# Altium PCB Calipso V2.0 REV2.0.PcbDoc (part 3 of 4) (continued)
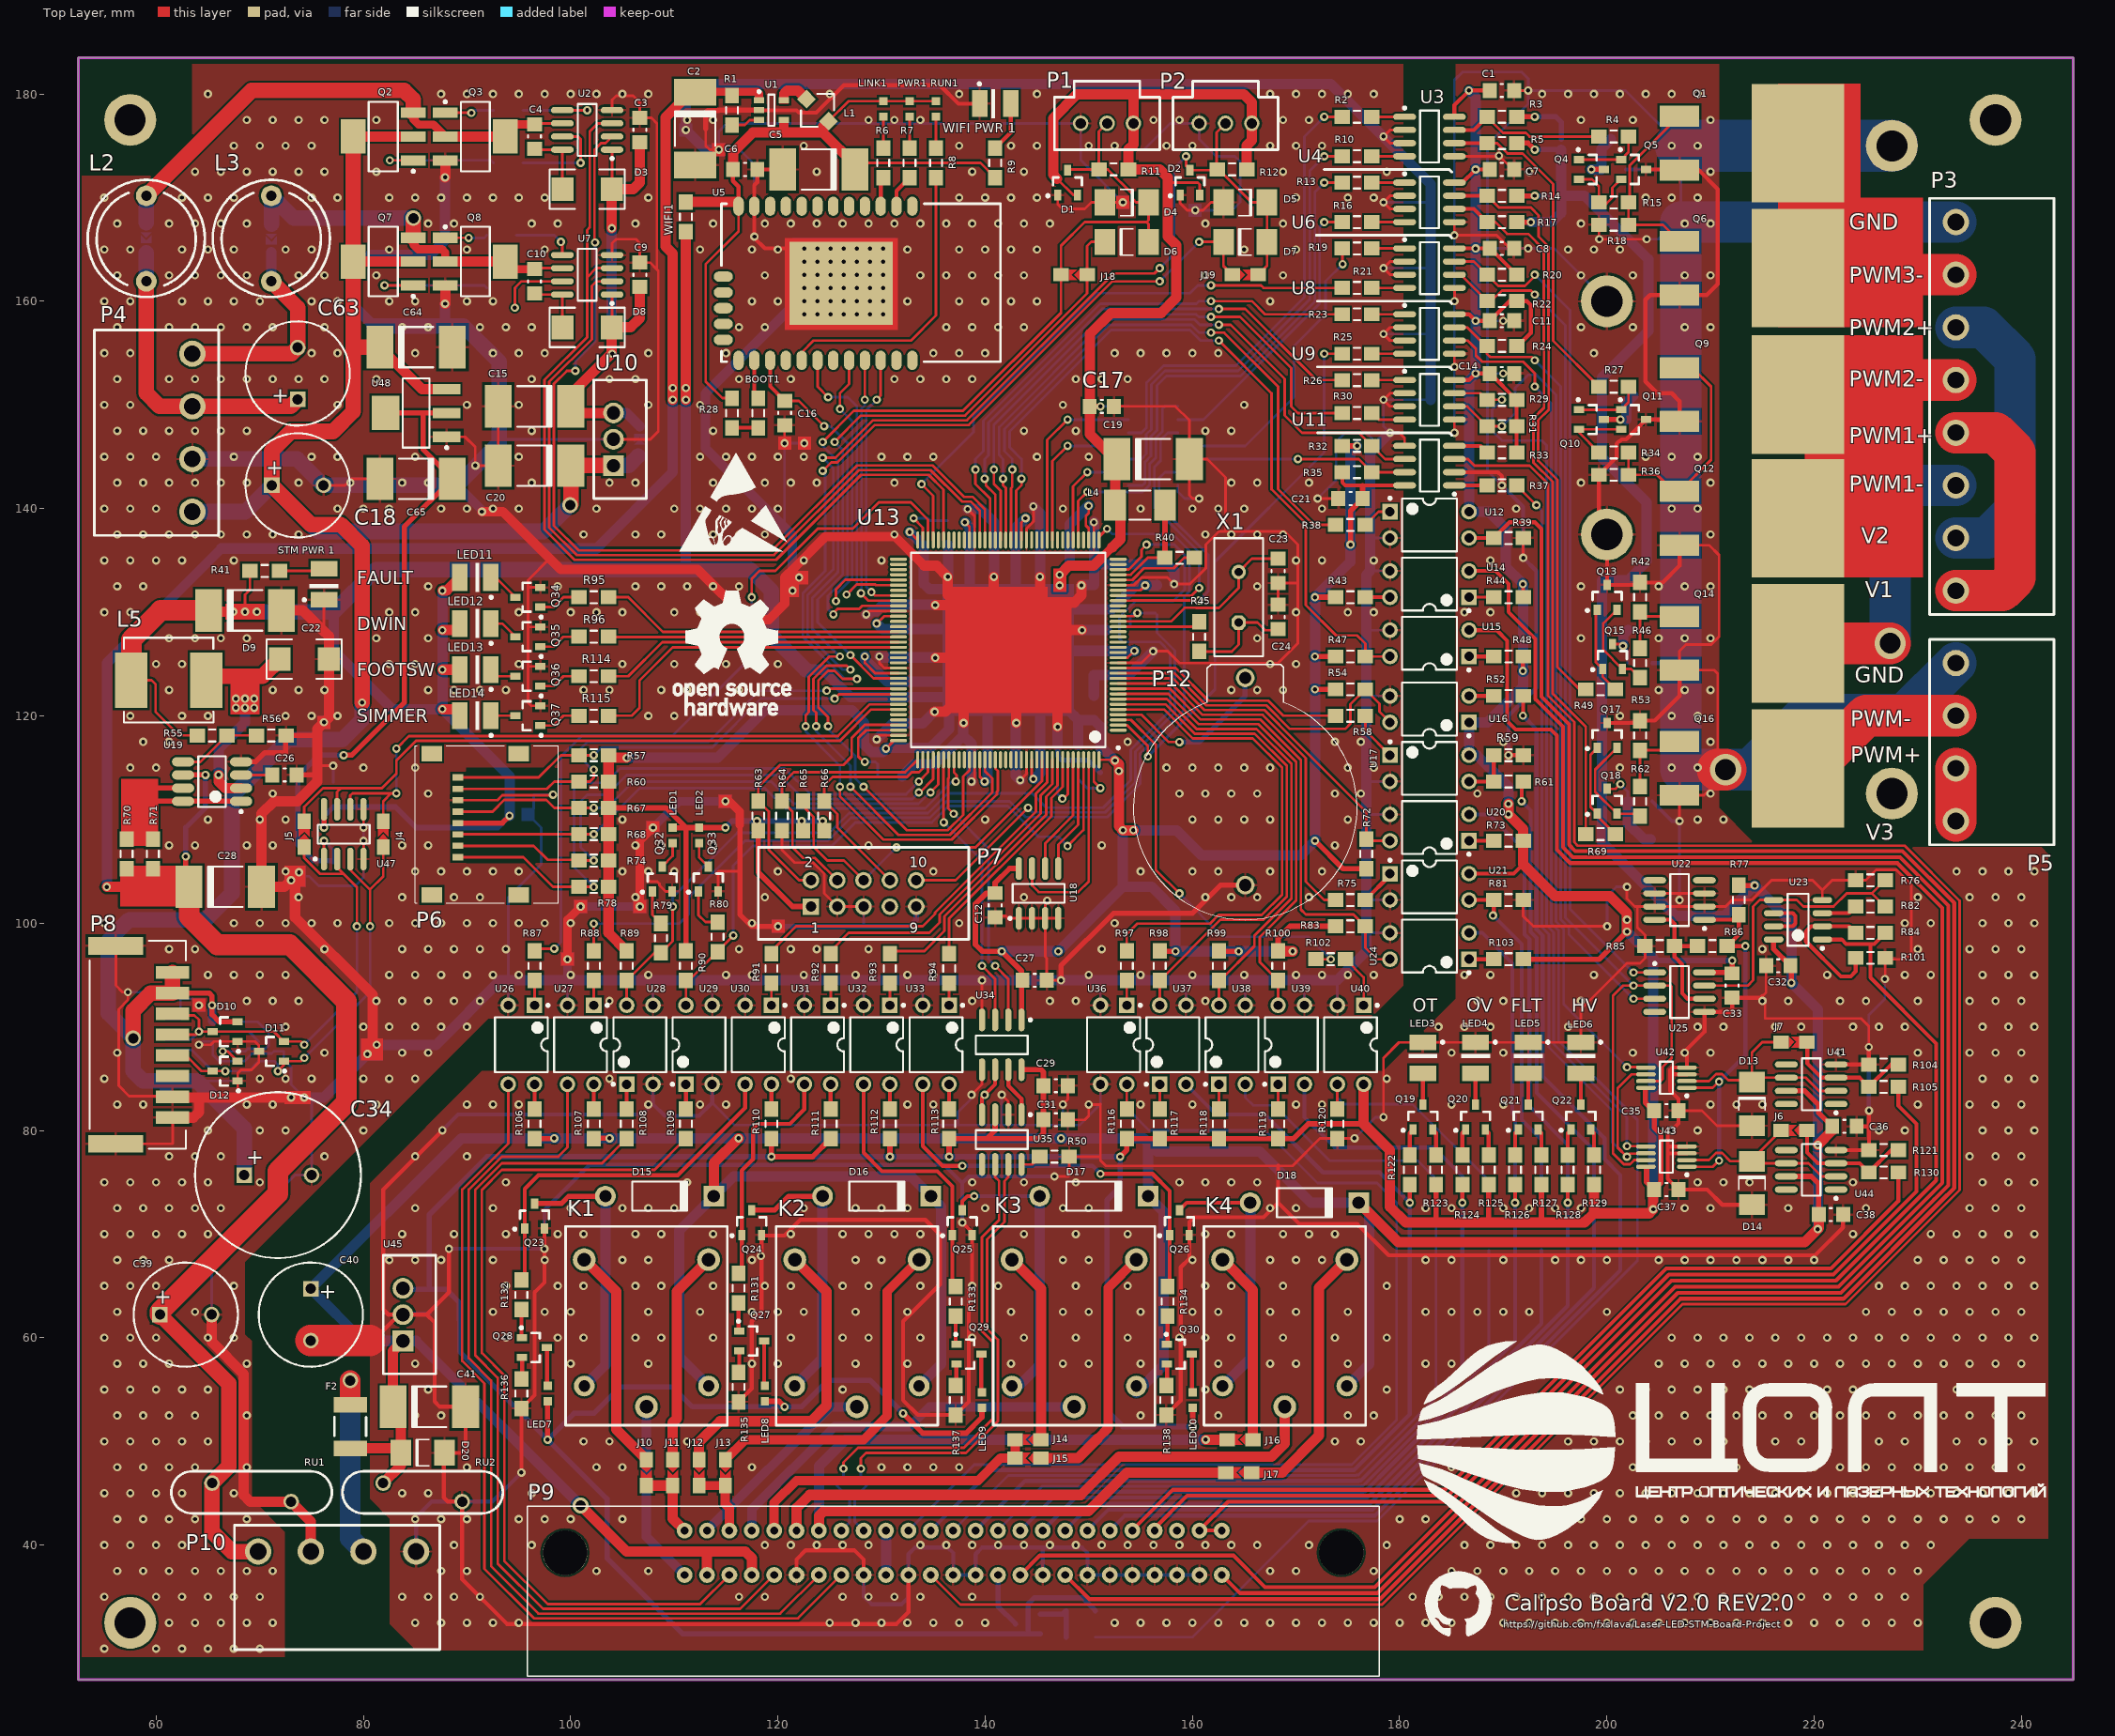
[diagram p0: Top Layer view]
## Nets (pads, with @x,y where several pads share a name; then routed paths per layer and width w, separated by ;. In a path a pad name is that pad's centre, name@x,y a point inside that pad or via, vN(x,y) a via of type N, cw(c..) or ccw(c..) an arc to the next point about the centre after c; other vN are vias at no path point) (continued)
LASER_IMON: P9.21 R130.2 | length 89.9
  Top Layer w0.384: P9.21@154.198,41.402 158.135,45.339 184.404,45.339 205.74,66.675 221.615,66.675 228.12,73.18 R130.2@228.12,75.946
LASER_IPROG: P9.24 P9.25 R84.1 U23.1 | length 119.4
  Top Layer w0.384: P9.25@162.838,41.402 P9.24@160.678,41.402 163.447,44.171 184.888,44.171 206.224,65.507 222.099,65.507 230.454,73.862 ; U23.1@220.79,98.425 222.656,98.425 223.088,97.993 225.425,97.993 ; R84.1@226.85,99.06 225.783,97.993 225.425,97.993 ; 230.454,73.863 231.775,75.184 231.775,88.392 225.425,94.742 225.425,97.993
LASER_LOCK: P9.50 U14.2 | length 185.6
  Top Layer w0.384: P9.50@162.838,37.112 164.593,35.357 177.853,35.357 206.835,64.339 222.583,64.339 231.622,73.378 ; U14.2@186.69,133.985 189.23,133.985 190.5,132.715 190.5,130.02 193.091,127.429 193.091,121.615 195.758,118.948 195.758,107.328 196.711,106.375 196.728,106.375 228.278,106.375 232.943,101.71 232.943,74.7 231.622,73.379
LASER_PULSE: P9.40 Q31.3 | length 5.4
  Bottom Layer w0.5: P9.40@141.238,37.112 141.238,34.092 Q31.3@142.945,32.385
LASER_VMON: P9.22 R105.1 | length 97.9
  Top Layer w0.254: P9.22@156.358,41.402 P9.22@156.464,41.508
  Top Layer w0.384: P9.22@156.358,41.614 159.499,44.755 184.646,44.755 205.982,66.091 221.857,66.091 229.87,74.104 229.87,80.645 228.12,82.395 R105.1@228.12,84.201
LD_PULSE: R25.2 U13.4 | length 52.4
  Top Layer w0.254: U13.4@152.84,119.115 152.863,119.092 153.713,119.092 155.702,117.103 v2(155.702,116.078) ; v1(172.72,154.94) R25.2@174.47,154.94
  Bottom Layer w0.254: v2(155.702,116.078) 162.179,122.555 162.179,134.874 172.72,145.415 v1(172.72,154.94)
LDD_VMON: P9.23
LED_GREEN: P9.32 U27.3 | length 89.6
  Top Layer w0.254: U27.3@99.695,84.455 99.695,78.359 98.806,77.47 93.352,77.47 90.17,74.288 90.17,58.021 92.329,55.862 92.329,37.955 96.902,33.382 120.228,33.382 P9.32@123.958,37.112
LED_RED: P9.33 U26.3 | length 87.6
  Top Layer w0.254: U26.3@93.979,84.455 93.979,78.739 89.535,74.295 89.535,57.758 91.694,55.599 91.694,37.692 96.458,32.928 121.934,32.928 P9.33@126.118,37.112
LEDB: U13.97
LEDG: R88.2 U13.37 | length 97.9
  Top Layer w0.254: R88.2@102.235,97.31 v1(102.235,99.949) ; U13.37@150.99,136.965 150.99,137.274 v1(151.765,138.049)
  Bottom Layer w0.254: v1(102.235,99.949) 110.49,99.949 111.379,100.838 111.379,102.489 116.84,107.95 124.848,107.95 127.058,110.16 134.671,110.16 136.271,111.76 142.367,111.76 143.891,110.236 151.772,110.236 154.959,113.423 154.959,114.89 154.956,114.893 154.956,116.36 155.401,116.805 155.427,116.805 159.204,120.582 159.204,131.511 159.712,132.019 159.712,135.944 158.115,137.541 152.273,137.541 v1(151.765,138.049)
LEDR: R87.2 U13.70 | length 73.4
  Top Layer w0.254: R87.2@96.519,97.31 96.745,97.536 v1(98.425,97.536) ; v2(117.475,131.445) 117.475,133.223 118.237,133.985 119.761,133.985 123.857,138.081 127.23,138.081 129.754,140.605 132.826,140.605 134.49,138.941 U13.70@134.49,136.965
  Bottom Layer w0.254: v1(98.425,97.536) 99.06,98.171 99.06,116.078 101.092,118.11 109.855,118.11 117.475,125.73 v2(117.475,131.445)
LMP_DISCH: R75.2 U13.12 | length 36.6
  Top Layer w0.254: U13.12@152.84,123.115 157.971,123.115 160.982,120.104 166.768,120.104 169.459,117.413 169.459,117.409 170.942,115.926 170.942,103.997 172.704,102.235 R75.2@173.835,102.235
LMP_DISCHARGE: P9.17 R154.1 | length 63.4
  Bottom Layer w0.381: P9.17@145.558,41.402 148.731,44.575 176.884,44.575 193.675,61.365 R154.1@193.675,68.425
LMP_FAULT: R83.1 U13.11 U24.4 | length 46.7
  Top Layer w0.254: U13.11@152.84,122.615 157.829,122.615 160.794,119.65 166.576,119.65 170.472,115.754 170.472,101.308 170.942,100.838 175.542,100.838 R83.1@176.685,99.695 176.685,97.635 177.8,96.52 U24.4@179.07,96.52
LMP_FAULT_SIG: P9.16 R126.1 U24.2 | length 99
  Top Layer w0.381: v1(191.135,73.025) R126.1@191.135,74.775
  Bottom Layer w0.381: 178.58,47.099 191.135,59.653 v1(191.135,73.025) 191.135,81.407 190.881,81.661 190.881,96.139 187.96,99.06 U24.2@186.69,99.06
  Bottom Layer w0.384: P9.16@143.398,41.402 147.153,45.157 176.462,45.157 176.495,45.19 176.628,45.19 176.676,45.19 177.284,45.798 177.284,45.8 178.581,47.098
LMP_HV_INH: R97.2 U13.7 | length 48.6
  Top Layer w0.254: U13.7@152.84,120.615 157.261,120.615 160.042,117.834 165.824,117.834 168.656,115.002 168.656,102.757 166.683,100.784 162.527,100.784 161.692,99.949 154.686,99.949 153.67,98.933 R97.2@153.67,97.31
LMP_HV_INHIBIT: P9.11 R116.1 U36.4 | length 107
  Top Layer w0.254: R116.1@153.67,82.07 U36.4@153.67,84.455
  Bottom Layer w0.254: P9.11@132.598,41.402 138.948,47.752 175.387,47.752 179.705,52.07 179.705,73.025 177.8,74.93 172.085,74.93 167.005,80.01 155.829,80.01 153.67,82.169 U36.4@153.67,84.455
LMP_HVON: R72.1 U13.13 U20.4 | length 34.5
  Top Layer w0.254: U13.13@152.84,123.615 158.113,123.615 161.17,120.558 166.956,120.558 169.913,117.601 169.913,117.598 176.784,110.727 176.784,108.049 176.685,107.95 U20.4@179.07,107.95
LMP_HVON_SIG: P9.18 R128.1 U20.2 | length 111.7
  Top Layer w0.381: v1(196.215,73.025) R128.1@196.215,74.775
  Bottom Layer w0.381: P9.18@147.718,41.402 150.31,43.994 177.125,43.994 196.215,63.084 v1(196.215,73.025) 196.215,78.613 192.532,82.296 192.532,98.428 192.051,98.909 192.051,107.034 188.595,110.49 U20.2@186.69,110.49
LMP_OV: R100.1 U13.10 U39.4 | length 45.6
  Top Layer w0.254: U13.10@152.84,122.115 157.687,122.115 160.606,119.196 166.388,119.196 170.018,115.566 170.018,102.193 166.497,98.672 166.497,96.238 R100.1@168.275,94.46 U39.4@168.275,92.075
LMP_OVERTEMPERATURE_SIG: P9.12 R122.1 U37.2 | length 99.4
  Top Layer w0.381: v1(180.975,73.025) R122.1@180.975,74.775
  Bottom Layer w0.381: U37.2@159.385,84.455 162.306,81.534 167.005,81.534 172.593,75.946 178.054,75.946 v1(180.975,73.025)
  Bottom Layer w0.384: P9.12@134.758,41.402 140.589,47.233 175.602,47.233 180.975,52.606 v1(180.975,73.025)
LMP_OVERVOLTAGE_SIG: P9.14 R124.1 U39.2 | length 95.1
  Top Layer w0.381: v1(186.055,73.025) R124.1@186.055,74.775
  Bottom Layer w0.381: U39.2@170.815,84.455 170.815,81.28 173.736,78.359 183.261,78.359 186.055,75.565 v1(186.055,73.025) 186.055,56.037 176.246,46.228
  Bottom Layer w0.384: P9.14@139.078,41.402 143.871,46.195 176.032,46.195 176.065,46.228 176.198,46.228 176.246,46.228
LMP_OVT: R98.1 U13.8 U37.4 | length 49.4
  Top Layer w0.254: U13.8@152.84,121.115 157.403,121.115 160.23,118.288 166.012,118.288 169.11,115.19 169.11,102.569 166.871,100.33 162.715,100.33 R98.1@156.845,94.46 U37.4@156.845,92.075
LMP_PULSE: R102.2 U13.5 | length 38.6
  Top Layer w0.254: U13.5@152.84,119.615 154.077,119.615 156.464,117.228 156.464,105.156 v2(158.75,102.87) ; R102.2@171.93,96.52 v1(173.355,96.52)
  Bottom Layer w0.254: v2(158.75,102.87) 162.941,98.679 171.196,98.679 v1(173.355,96.52)
LMP_PULSE_OUT: P9.15 R155.1 | length 64.7
  Bottom Layer w0.254: P9.15@141.238,41.402 145.512,45.676 176.247,45.676 176.28,45.709 176.461,45.709 176.765,46.013 176.765,46.015 188.595,57.845 R155.1@188.595,68.425
LMP_RDY: R99.1 U13.9 U38.4 | length 45.6
  Top Layer w0.254: U13.9@152.84,121.615 157.545,121.615 160.418,118.742 166.2,118.742 169.564,115.378 169.564,102.381 165.989,98.806 165.989,97.778 162.671,94.46 R99.1@162.56,94.46 U38.4@162.56,92.075
LMP_READY: P9.13 U38.2 | length 95.9
  Bottom Layer w0.254: P9.13@136.918,41.402 142.23,46.714 175.817,46.714 175.85,46.747 176.033,46.747 183.515,54.229 183.515,75.311 181.737,77.089 173.228,77.089 167.894,82.423 165.862,82.423 165.1,83.185 U38.2@165.1,84.455
LMP_SIMEN: R58.2 U13.15 | length 22.9
  Top Layer w0.254: U13.15@152.84,124.615 158.397,124.615 161.546,121.466 167.332,121.466 168.783,120.015 R58.2@173.835,120.015
LMP_SIMMER_ENABLE: P9.19 R61.1 | length 110.4
  Top Layer w0.381: v1(191.77,111.76) 191.77,113.51 R61.1@191.925,113.665
  Bottom Layer w0.381: P9.19@149.878,41.402 151.889,43.413 177.365,43.413 198.755,64.802 198.755,78.105 193.221,83.639 193.221,98.56 192.632,99.15 192.632,110.898 v1(191.77,111.76)
LMP_SIMMER_SENSOR: P9.20 R52.1 | length 119
  Top Layer w0.381: v1(191.897,120.015) 191.925,120.043 R52.1@191.925,121.92
  Bottom Layer w0.381: P9.20@152.038,41.402 153.468,42.832 177.606,42.832 201.295,66.52 201.295,75.708 199.771,77.232 199.771,79.248 193.802,85.217 193.802,98.801 193.213,99.39 193.213,118.699 v1(191.897,120.015)
LMP_SIMSEN: R54.1 U13.14 U16.4 | length 32.9
  Top Layer w0.254: U13.14@152.84,124.115 158.255,124.115 161.358,121.012 167.144,121.012 169.411,118.745 174.752,118.745 175.26,119.253 175.26,121.13 R54.1@176.685,122.555 178.054,121.186 178.054,120.396 U16.4@179.07,119.38
MCU_TDI: P7.8 R66.2 U13.110 | length 22.8
  Top Layer w0.254: P7.8@130.81,104.14 125.73,109.22 125.73,110.518 R66.2@124.46,111.788 124.46,113.284 125.276,114.1 132.467,114.1 132.921,114.554 133.629,114.554 133.99,114.915 U13.110@133.99,115.765
MON_CLK: R22.1 U6.6 U25.2 U42.7 U43.7 | length 116.1
  Top Layer w0.254: U6.6@185.28,162.56 185.9,162.56 R22.1@188.44,160.02 188.849,160.02 189.865,161.036 192.659,161.036 v1(193.04,160.655) ; U43.7@203.765,77.145 202.633,77.145 202.231,76.743 201.629,76.743 200.587,77.785 200.587,93.018 201.549,93.98 v1(202.565,93.98) U25.2@204.61,93.98 206.121,93.98 206.248,93.853 206.248,86.995 205.359,86.106 205.359,84.963 205.161,84.765 U42.7@203.765,84.765
  Bottom Layer w0.254: v1(193.04,160.655) 196,157.695 196,100.545 v1(202.565,93.98)
MON_DOUT: R37.1 U42.6 U43.6 | length 81.4
  Top Layer w0.254: R37.1@191.29,142.24 v1(193.195,140.335) ; U43.6@203.765,77.795 203.729,77.759 202.219,77.759 v1(201.93,77.47) 201.918,77.47 201.041,78.347 201.041,84.074 202.382,85.415 U42.6@203.765,85.415
  Bottom Layer w0.254: v1(193.195,140.335) 193.73,139.8 193.73,99.605 194.418,98.917 194.418,88.03 200.533,81.915 200.533,78.855 201.918,77.47 v1(201.93,77.47)
MON_VREF: R77.2 R86.2 U22.1 U42.1 U43.1 | length 37.2
  Top Layer w0.254: U43.1@207.715,76.495 210.226,76.495 v1(210.82,77.089) ; U42.1@207.715,84.115 210.226,84.115 v1(210.82,84.709)
  Top Layer w0.384: U22.1@209.41,100.33 212.245,100.33 R77.2@212.725,100.81 212.725,98.905 R86.2@211.61,97.79 v1(213.36,97.79)
  Bottom Layer w0.384: v1(210.82,77.089) v1(210.82,84.709) 213.36,87.249 v1(213.36,97.79)
NetBOOT1_1: BOOT1.1 R28.2 | length 2.5
  Top Layer w0.384: R28.2@115.57,147.8 BOOT1.1@118.11,147.8
NetBOOT1_2: BOOT1.2 U5.2 | length 3.8
  Top Layer w0.384: U5.2@117.729,154.305 117.729,151.031 BOOT1.2@118.11,150.65
NetC4_1: C4.1 D3.2 U2.8 | length 6.4
  Top Layer w0.254: C4.1@96.615,174.625 U2.8@99.2,174.625 99.2,170.84 D3.2@99.225,170.815
NetC10_1: C10.1 D8.2 U7.8 | length 5.9
  Top Layer w0.254: C10.1@96.52,160.75 96.615,160.655 U7.8@99.2,160.655 99.2,157.505 D8.2@99.225,157.48
NetC23_2: C23.2 U13.24 X1.2 | length 18.9
  Top Layer w0.254: U13.24@152.84,129.115 157.93,129.115 159.244,130.429 160.35,130.429 160.354,130.425 162.556,130.425 164.465,132.334 X1.2@164.465,133.885 165.74,135.16 C23.2@168.275,135.16
NetC24_2: C24.2 R45.2 X1.1 | length 10.4
  Top Layer w0.254: R45.2@160.655,126.21 163.802,126.21 164.465,126.873 X1.1@164.465,129.005 166.27,129.005 167.005,128.27 168.18,128.27 C24.2@168.275,128.365
NetC26_2: C26.2 U19.3 | length 3
  Top Layer w0.254: U19.3@68.205,114.3 C26.2@71.215,114.3
NetC42_1: C42.1 L6.2 Q4.3 | length 5.5
  Top Layer w0.5: v1(198.501,172.72) Q4.3@199.701,172.72
  Bottom Layer w1: v1(198.501,172.72) C42.1@199.485,172.72 199.485,174.728 L6.2@200.398,175.641
NetC43_1: C43.1 L7.1 Q10.3 | length 4.2
  Top Layer w0.5: Q10.3@199.701,148.59 v1(201.295,148.59)
  Bottom Layer w1: C43.1@201.898,148.59 201.898,150.217 L7.1@202.565,150.884
NetC44_2: C44.2 U13.71 | length 5.9
  Top Layer w0.254: v1(133.096,139.065) 133.99,138.171 U13.71@133.99,136.965
  Bottom Layer w0.254: v1(133.096,139.065) 134.493,139.065 134.715,138.843 C44.2@136.398,138.843
NetC53_1: C53.1 L8.1 Q18.3 | length 8.4
  Top Layer w0.254: Q18.3@200.025,112.96 200.844,112.96 v1(201.295,113.411)
  Bottom Layer w0.254: v1(201.295,113.411) 202.025,112.681 C53.1@202.025,111.76
  Bottom Layer w1: C53.1@202.025,111.76 202.025,109.633 203.589,108.069 L8.1@204.216,108.069
NetC59_2: C59.2 U13.106 | length 9.3
  Top Layer w0.254: v1(128.397,115.57) 128.27,115.57 127.762,116.078 127.762,117.856 128.521,118.615 U13.106@131.64,118.615
  Bottom Layer w0.254: v1(128.397,115.57) 129.413,115.57 129.635,115.348 C59.2@129.635,114.173
NetC61_1: C61.1 L9.1 Q15.3 | length 4.7
  Top Layer w0.254: Q15.3@200.533,126.93 201.365,126.93 v1(201.549,126.746)
  Bottom Layer w0.254: v1(201.549,126.746) 202.025,126.27 C61.1@202.025,125.095
  Bottom Layer w1: v1(201.549,126.746) 201.549,127.77 L9.1@202.057,128.278
NetC63_1: C63.1 J2.1 L2.2 P4.2 | length 28.9
  Top Layer w1.5: L2.2@59.055,161.925 59.055,151.13 60.325,149.86 P4.2@63.5,149.86 72.985,149.86 C63.1@73.66,150.535
  Bottom Layer w1.5: L2.2@59.055,161.925 J2.1@59.055,164.658
NetC63_2: C63.2 J3.1 L3.2 P4.1 | length 20.7
  Top Layer w1.5: P4.1@63.5,154.94 73.065,154.94 C63.2@73.66,155.535 73.66,159.385 L3.2@71.12,161.925
  Bottom Layer w1: L3.2@71.12,161.925 J3.1@71.12,164.739
NetD9_2: D9.2 L5.2 U19.2 | length 19
  Top Layer w1: v1(66.04,114.3) 66.04,113.665 66.675,113.03 U19.2@68.205,113.03
  Top Layer w1.5: L5.2@64.77,123.825 70.269,123.825 D9.2@71.92,125.476
  Bottom Layer w1: v1(66.04,114.3) 66.04,116.84 68.58,119.38 v1(68.58,120.777)
  Bottom Layer w1.5: 68.199,121.285 v1(68.58,121.666)
  other v1: 67.691,120.777 69.469,120.777 67.691,121.666 69.469,121.666
NetD13_1: D13.1 J7.0 U41.2 U41.6 U42.2 | length 21.8
  Top Layer w0.254: U42.2@207.715,84.765 209.848,84.765 210.519,85.436 211.121,85.436 211.721,84.836 213.809,84.836 D13.1@213.995,84.65 ; J7.0@216.809,88.519 214.991,88.519 213.995,87.523 D13.1@213.995,84.65 ; U41.2@222.11,83.82 220.472,83.82 219.202,85.09 U41.6@217.31,85.09 214.435,85.09 D13.1@213.995,84.65
NetD14_1: D14.1 J6.1 U43.2 U44.2 U44.6 | length 19.8
  Top Layer w0.254: U43.2@207.715,77.145 209.848,77.145 210.519,77.816 211.121,77.816 211.907,77.03 D14.1@213.995,77.03 ; J6.1@216.809,80.01 213.995,77.196 D14.1@213.995,77.03 ; U44.2@222.11,75.565 220.726,75.565 219.456,76.835 U44.6@217.31,76.835 214.19,76.835 D14.1@213.995,77.03
NetD15_1: D15.1 K1.2 Q23.3 | length 26.4
  Top Layer w0.384: K1.2@101.22,55.245 K1.2@101.315,55.34
  Top Layer w0.5: Q23.3@96.52,72.955 99.117,72.955 99.822,73.66 D15.1@103.355,73.66
  Bottom Layer w1: K1.2@101.315,55.34 103.355,57.38 D15.1@103.355,73.66
NetD16_1: D16.1 K2.2 Q24.3 | length 26.8
  Top Layer w0.5: Q24.3@117.475,72.32 119.691,72.32 121.031,73.66 D16.1@124.31,73.66
  Bottom Layer w1: K2.2@121.635,55.34 124.31,58.015 D16.1@124.31,73.66
NetD17_1: D17.1 K3.2 Q25.3 | length 28.6
  Top Layer w0.384: Q25.3@137.795,72.32 137.795,73.152 138.303,73.66 v1(138.938,73.66)
  Bottom Layer w0.384: v1(138.938,73.66) D17.1@145.265,73.66
  Bottom Layer w1: K3.2@142.59,54.705 145.265,57.38 D17.1@145.265,73.66
NetD18_1: D18.1 K4.2 Q26.3 | length 25.9
  Top Layer w0.384: Q26.3@158.75,72.32 159.455,73.025 D18.1@165.585,73.025
  Bottom Layer w1: K4.2@162.91,55.34 165.585,58.015 D18.1@165.585,73.025
NetF2_2: F2.2 P10.3 | length 18.6
  Top Layer w2: 78.74,54.356 v3(78.74,55.88)
  Bottom Layer w2: v3(78.74,55.88) 78.74,40.64 P10.3@80.01,39.37
NetJ6_0: J6.0 R121.1 R130.1 U44.3 | length 12.6
  Top Layer w0.384: J6.0@219.309,80.01 219.309,77.871 220.345,76.835 U44.3@222.11,76.835 224.381,76.835 R130.1@225.27,75.946 227.429,78.105 R121.1@228.12,78.105
NetJ7_1: J7.1 R104.1 R105.2 U41.3 | length 12.7
  Top Layer w0.384: J7.1@219.329,88.519 219.329,86.487 220.726,85.09 U41.3@222.11,85.09 224.381,85.09 R105.2@225.27,84.201 227.429,86.36 R104.1@228.12,86.36
NetJ10_0: J10.0 K1.3 | length 21.8
  Top Layer w1: K1.3@101.315,67.54 104.394,64.461 104.394,51.161 J10.0@107.315,48.24
NetJ11_0: J11.0 K1.4 | length 20.7
  Top Layer w1: J11.0@109.855,48.24 109.855,51.816 110.236,52.197 110.236,64.461 K1.4@113.315,67.54
NetJ12_0: J12.0 K2.3 | length 30.8
  Top Layer w1: J12.0@112.395,48.24 112.395,49.911 114.427,51.943 123.19,51.943 124.714,53.467 124.714,64.461 K2.3@121.635,67.54
NetJ13_0: J13.0 K2.4 | length 33.7
  Top Layer w0.9: J13.0@114.935,48.24 116.86,50.165 128.27,50.165 130.556,52.451 130.556,64.461 K2.4@133.635,67.54
NetJ14_0: J14.0 K3.3 | length 18.5
  Top Layer w1: K3.3@142.59,67.54 145.395,64.735 J14.0@145.395,50.165
NetJ15_0: J15.0 K3.4 | length 25.1
  Top Layer w0.9: 150.876,50.292 151.892,51.308 151.892,64.842 K3.4@154.59,67.54
  Top Layer w1: J15.0@145.395,48.387 148.971,48.387 150.876,50.292
NetJ16_0: J16.0 K4.3 | length 18.6
  Top Layer w1: K4.3@162.91,67.54 165.842,64.608 J16.0@165.842,50.165
NetJ17_0: J17.0 K4.4 | length 26.1
  Top Layer w1: J17.0@165.715,46.99 168.656,46.99 172.212,50.546 172.212,64.842 K4.4@174.91,67.54
NetL1_2: L1.2 U1.5 | length 2.6
  Top Layer w1: 120.65,180.086 120.904,180.34 121.92,180.34 L1.2@122.764,179.496
NetLED1_1: LED1.1 Q32.3 | length 2.7
  Top Layer w0.254: Q32.3@108.839,105.467 109.855,106.483 LED1.1@109.855,107.708
NetLED2_1: LED2.1 Q33.3 | length 2.6
  Top Layer w0.254: LED2.1@112.395,107.708 112.395,106.356 Q33.3@113.284,105.467
NetLED3_2: LED3.2 Q19.3 | length 3
  Top Layer w0.384: Q19.3@182.245,82.48 LED3.2@182.245,85.495
NetLED4_2: LED4.2 Q20.3 | length 3
  Top Layer w0.384: Q20.3@187.325,82.48 LED4.2@187.325,85.495
NetLED5_2: LED5.2 Q21.3 | length 3
  Top Layer w0.384: Q21.3@192.405,82.48 LED5.2@192.405,85.495
NetLED6_2: LED6.2 Q22.3 | length 3
  Top Layer w0.384: Q22.3@197.485,82.48 LED6.2@197.485,85.495
NetLED7_1: LED7.1 Q28.3 | length 3.7
  Top Layer w0.384: Q28.3@97.72,59.055 97.72,55.43 LED7.1@97.79,55.36
NetLED8_1: LED8.1 Q27.3 | length 4.4
  Top Layer w0.384: Q27.3@118.675,59.69 118.675,55.43 LED8.1@118.745,55.36
NetLED9_1: LED9.1 Q29.3 | length 3.7
  Top Layer w0.384: Q29.3@139.63,58.42 139.63,54.795 LED9.1@139.7,54.725
NetLED10_1: LED10.1 Q30.3 | length 3.6
  Top Layer w0.384: LED10.1@159.95,54.795 Q30.3@159.95,58.42
NetLED11_1: LED11.1 Q34.3 | length 3.2
  Top Layer w0.254: LED11.1@92.305,133.35 92.78,133.35 Q34.3@94.685,131.445
NetLED12_1: LED12.1 Q35.3 | length 2.9
  Top Layer w0.254: LED12.1@92.305,128.905 93.415,128.905 Q35.3@94.685,127.635
NetLED13_1: LED13.1 Q36.3 | length 2.4
  Top Layer w0.254: LED13.1@92.305,123.825 Q36.3@94.685,123.825
NetLED14_1: LED14.1 Q37.3 | length 2.4
  Top Layer w0.254: LED14.1@92.305,120.015 Q37.3@94.685,120.015
NetLINK1_1: LINK1.1 R6.1 | length 3
  Top Layer w0.254: R6.1@130.175,174.78 LINK1.1@130.175,177.812
NetP3_1: P3.1 P3.4 | length 24.8
  Top Layer w4: P3.1@233.68,132.08 238.125,132.08 239.395,133.35 239.395,145.415 237.49,147.32 P3.4@233.68,147.32
NetP3_2: P3.2 P3.6 | length 28.4
  Bottom Layer w4: P3.2@233.68,137.16 236.728,137.16 239.395,139.827 239.395,154.432 236.347,157.48 P3.6@233.68,157.48
NetP3_3: P3.3 Q14.2 | length 31.3
  Top Layer w4: Q14.2@218.44,129.921 218.44,128.27 219.71,127 v4(227.33,127)
  Bottom Layer w4: v4(227.33,127) 227.33,139.954 229.616,142.24 P3.3@233.68,142.24
NetP3_5: P3.5 Q9.2 Q12.2 | length 6.2
  Top Layer w4: 227.584,152.146 227.838,152.4 P3.5@233.68,152.4
NetP3_7: P3.7 Q1.2 Q6.2 | length 6.8
  Top Layer w4: 226.949,162.433 227.076,162.56 P3.7@233.68,162.56
NetP5_1: P5.1 P5.2 | length 5.1
  Top Layer w4: P5.1@233.68,109.855 P5.2@233.68,114.935
NetP5_3: P5.3 Q16.2 | length 17.3
  Top Layer w4: Q16.2@218.44,114.935 219.935,114.935 225.015,120.015 P5.3@233.68,120.015
NetP9_37: P9.37 U11.3 | length 230.2
  Top Layer w0.254: P9.37@134.758,37.112 137.616,34.254 176.149,34.254 178.309,34.254 207.291,63.236 223.039,63.236 234.046,74.243 234.046,102.167 228.735,107.478 197.185,107.478 196.888,107.775 196.888,107.796 196.861,107.823 ; U11.3@185.28,144.78 186.59,144.78 187.225,144.145 192.56,144.145 194.31,142.395 194.31,121.956 196.861,119.405 196.861,107.823 ; 196.861,107.802 196.861,107.823
NetPWR1_1: PWR1.1 R7.1 | length 3
  Top Layer w0.254: R7.1@132.715,174.78 PWR1.1@132.715,177.812
NetQ1_1: Q1.1 Q6.1 R15.2 R18.2 | length 18.1
  Top Layer w0.254: Q6.1@207.01,165.79 205.414,167.386 R18.2@202.085,167.386 R15.2@202.085,169.545 202.192,169.652 202.192,173.109 206.938,177.855 Q1.1@207.01,177.855
NetQ2_1: Q2.1 R148.2 | length 12.4
  Top Layer w0.254: v1(82.55,173.609) 82.564,173.595 Q2.1@84.815,173.595
  Bottom Layer w0.254: v1(82.55,173.609) 92.301,173.609 R148.2@92.555,173.355
NetQ3_1: Q3.1 R147.2 | length 4.8
  Top Layer w0.254: Q3.1@87.905,178.195 90.41,178.195 v1(90.424,178.181)
  Bottom Layer w0.254: v1(90.424,178.181) 90.678,178.435 R147.2@92.555,178.435
NetQ4_1: Q4.1 Q5.1 R4.2 | length 6.6
  Top Layer w0.254: Q4.1@197.301,173.67 Q5.1@201.365,173.67 202.085,174.39 R4.2@202.085,175.895
NetQ4_2: Q4.2 Q5.2 R15.1 | length 7.5
  Top Layer w0.254: Q4.2@197.301,171.77 198.562,171.77 199.235,171.097 R15.1@199.235,169.545 199.362,169.418 199.947,169.418 200.533,170.004 200.533,170.938 Q5.2@201.365,171.77
NetQ7_1: Q7.1 R150.1 | length 12.8
  Top Layer w0.254: v1(82.042,161.544) 82.056,161.53 Q7.1@84.815,161.53
  Bottom Layer w0.254: v1(82.042,161.544) 91.666,161.544 R150.1@91.92,161.29
NetQ8_1: Q8.1 R149.1 | length 4.1
  Top Layer w0.254: Q8.1@87.905,166.13 90.156,166.13 v1(90.17,166.116)
  Bottom Layer w0.254: v1(90.17,166.116) 91.666,166.116 R149.1@91.92,166.37
NetQ9_1: Q9.1 Q12.1 R34.2 R36.2 | length 22.9
  Top Layer w0.254: R34.2@202.085,145.415 R36.2@202.085,143.256 204.851,143.256 206.447,141.66 Q12.1@207.01,141.66 210.058,144.708 210.058,151.765 208.225,153.598 Q9.1@207.01,153.598
NetQ10_1: Q10.1 Q11.1 R27.2 | length 6.6
  Top Layer w0.254: Q10.1@197.301,149.54 Q11.1@201.365,149.54 202.085,150.26 R27.2@202.085,151.765
NetQ10_2: Q10.2 Q11.2 R34.1 | length 7.1
  Top Layer w0.254: R34.1@199.235,145.415 197.301,147.349 Q10.2@197.301,147.64 Q11.2@201.365,147.64
NetQ13_1: Q13.1 Q15.1 R49.2 | length 8.5
  Top Layer w0.254: Q13.1@198.948,130.245 198.948,125.165 Q15.1@199.583,124.53 199.583,123.787 R49.2@200.815,122.555
NetQ13_2: Q13.2 Q15.2 R46.1 | length 9.1
  Top Layer w0.254: Q13.2@200.975,130.245 199.644,128.914 199.644,126.369 Q15.2@201.483,124.53 202.34,124.53 R46.1@203.2,123.67
NetQ14_1: Q14.1 R42.2 R46.2 | length 7.5
  Top Layer w0.254: R46.2@203.2,126.52 R42.2@203.2,130.02 203.625,129.595 Q14.1@207.01,129.595
NetQ16_1: Q16.1 R53.2 R62.2 | length 7.7
  Top Layer w0.254: R62.2@203.2,113.185 R53.2@203.2,116.685 206.165,116.685 Q16.1@207.01,117.53
NetQ17_1: Q17.1 Q18.1 R69.2 | length 9.6
  Top Layer w0.254: Q17.1@199.075,116.91 198.419,116.254 198.419,111.216 Q18.1@199.075,110.56 199.075,110.325 R69.2@200.815,108.585
NetQ17_2: Q17.2 Q18.2 R62.1 | length 10.4
  Top Layer w0.254: Q17.2@200.975,116.91 198.873,114.808 198.873,112.662 Q18.2@200.975,110.56 202.975,110.56 R62.1@203.2,110.335
NetQ19_1: Q19.1 R122.2 | length 2.6
  Top Layer w0.384: R122.2@180.975,77.625 180.975,79.76 Q19.1@181.295,80.08
NetQ19_2: Q19.2 R123.1 | length 2.6
  Top Layer w0.384: Q19.2@183.195,80.08 183.515,79.76 R123.1@183.515,77.625
NetQ20_1: Q20.1 R124.2 | length 2.6
  Top Layer w0.384: R124.2@186.055,77.625 186.055,79.76 Q20.1@186.375,80.08
NetQ20_2: Q20.2 R125.1 | length 2.6
  Top Layer w0.384: Q20.2@188.275,80.08 188.595,79.76 R125.1@188.595,77.625
NetQ21_1: Q21.1 R126.2 | length 2.6
  Top Layer w0.384: R126.2@191.135,77.625 191.135,79.76 Q21.1@191.455,80.08
NetQ21_2: Q21.2 R127.1 | length 2.6
  Top Layer w0.384: Q21.2@193.355,80.08 193.675,79.76 R127.1@193.675,77.625
NetQ22_1: Q22.1 R128.2 | length 2.6
  Top Layer w0.384: R128.2@196.215,77.625 196.215,79.76 Q22.1@196.535,80.08
NetQ22_2: Q22.2 R129.1 | length 2.1
  Top Layer w0.384: R129.1@198.755,77.625 Q22.2@198.755,79.76
NetQ23_1: Q23.1 R132.1 U30.3 | length 35.3
  Top Layer w0.384: R132.1@95.57,65.88 Q23.1@95.57,70.555 95.57,74.361 96.89,75.681 110.352,75.681 116.839,82.168 U30.3@116.839,84.455
NetQ24_1: Q24.1 R131.1 U31.3 | length 22.7
  Top Layer w0.384: R131.1@116.205,66.195 116.525,66.515 Q24.1@116.525,69.92 116.525,76.139 117.602,77.216 117.602,80.137 118.11,80.645 121.158,80.645 122.554,82.041 U31.3@122.554,84.455
NetQ25_1: Q25.1 R133.1 U32.3 | length 26.3
  Top Layer w0.384: U32.3@128.269,84.455 128.269,77.852 130.048,76.073 135.382,76.073 136.845,74.61 Q25.1@136.845,69.92 136.845,65.24 R133.1@137.16,64.925
NetQ26_1: Q26.1 R134.1 U33.3 | length 40.6
  Top Layer w0.384: U33.3@133.984,84.455 133.984,78.487 135.89,76.581 v1(137.795,76.581) ; v1(151.13,75.819) 156.149,75.819 157.8,74.168 Q26.1@157.8,69.92 R134.1@157.8,65.118
  Bottom Layer w0.384: v1(137.795,76.581) 141.224,76.581 150.368,76.581 v1(151.13,75.819)
NetQ27_1: Q27.1 R131.2 | length 2.7
  Top Layer w0.384: R131.2@116.205,63.345 116.205,60.71 Q27.1@116.275,60.64
NetQ27_2: Q27.2 R135.2 | length 2.1
  Top Layer w0.384: R135.2@116.205,56.67 116.275,56.74 Q27.2@116.275,58.74
NetQ28_1: Q28.1 R132.2 | length 2.6
  Top Layer w0.384: Q28.1@95.25,60.075 R132.2@95.25,62.71
NetQ28_2: Q28.2 R136.2 | length 2
  Top Layer w0.384: R136.2@95.32,56.105 Q28.2@95.32,58.105
NetQ29_1: Q29.1 R133.2 | length 2.7
  Top Layer w0.384: R133.2@137.16,62.075 137.16,59.44 Q29.1@137.23,59.37
NetQ29_2: Q29.2 R137.2 | length 2.1
  Top Layer w0.384: R137.2@137.16,55.4 137.23,55.47 Q29.2@137.23,57.47
NetQ30_1: Q30.1 R134.2 | length 2.6
  Top Layer w0.384: Q30.1@157.607,59.427 R134.2@157.607,62.075
NetQ30_2: Q30.2 R138.2 | length 2.1
  Top Layer w0.384: Q30.2@157.48,57.4 Q30.2@157.55,57.47 R138.2@157.55,55.47
NetQ32_1: Q32.1 R79.2 | length 3.4
  Top Layer w0.254: Q32.1@107.889,103.067 107.889,100.8 R79.2@108.712,99.977
NetQ33_1: Q33.1 R80.2 | length 4.4
  Top Layer w0.254: Q33.1@112.334,103.067 112.334,100.772 113.002,100.104 R80.2@114.173,100.104
NetQ34_1: Q34.1 R95.2 | length 4.1
  Top Layer w0.254: Q34.1@97.085,130.495 98.364,130.495 99.314,131.445 R95.2@100.81,131.445
NetQ35_1: Q35.1 R96.2 | length 4.1
  Top Layer w0.254: Q35.1@97.085,126.685 98.364,126.685 99.314,127.635 R96.2@100.81,127.635
NetQ36_1: Q36.1 R114.2 | length 4.1
  Top Layer w0.254: Q36.1@97.085,122.875 98.364,122.875 99.314,123.825 R114.2@100.81,123.825
NetQ37_1: Q37.1 R115.2 | length 4.1
  Top Layer w0.254: Q37.1@97.085,119.065 98.364,119.065 99.314,120.015 R115.2@100.81,120.015
NetR1_1: R1.1 U1.3 | length 2.8
  Top Layer w0.254: R1.1@115.57,177.01 116.812,177.01 117.287,177.485 U1.3@118.18,177.485
NetR2_1: R2.1 U46.12 | length 44.9
  Top Layer w0.254: v1(172.72,177.8) R2.1@174.47,177.8
  Bottom Layer w0.254: U46.12@153.81,147.32 155.067,147.32 155.575,147.828 155.575,152.146 157.226,153.797 164.211,153.797 170.815,160.401 170.815,175.895 v1(172.72,177.8)
NetR2_2: R2.2 U3.1 | length 3.2
  Top Layer w0.254: R2.2@177.32,177.8 U3.1@180.48,177.8
NetR3_1: R3.1 R4.1 U3.7 | length 15.3
  Top Layer w0.254: R3.1@188.44,177.8 189.978,176.262 192.175,176.262 192.542,175.895 ; 192.532,175.895 R4.1@199.235,175.895
  Top Layer w0.384: U3.7@185.28,176.53 187.17,176.53 R3.1@188.44,177.8